# Altium PCB 2025-565-V1.PcbDoc (part 1 of 2)
Units mm, origin at the board's own origin, x right, y up, seen from the top; angles counter-clockwise.
Board outline 100 x 80 mm, 2 copper layers (Top Layer, Bottom Layer); 155 components, 101 nets, 492 pads, 335 vias.
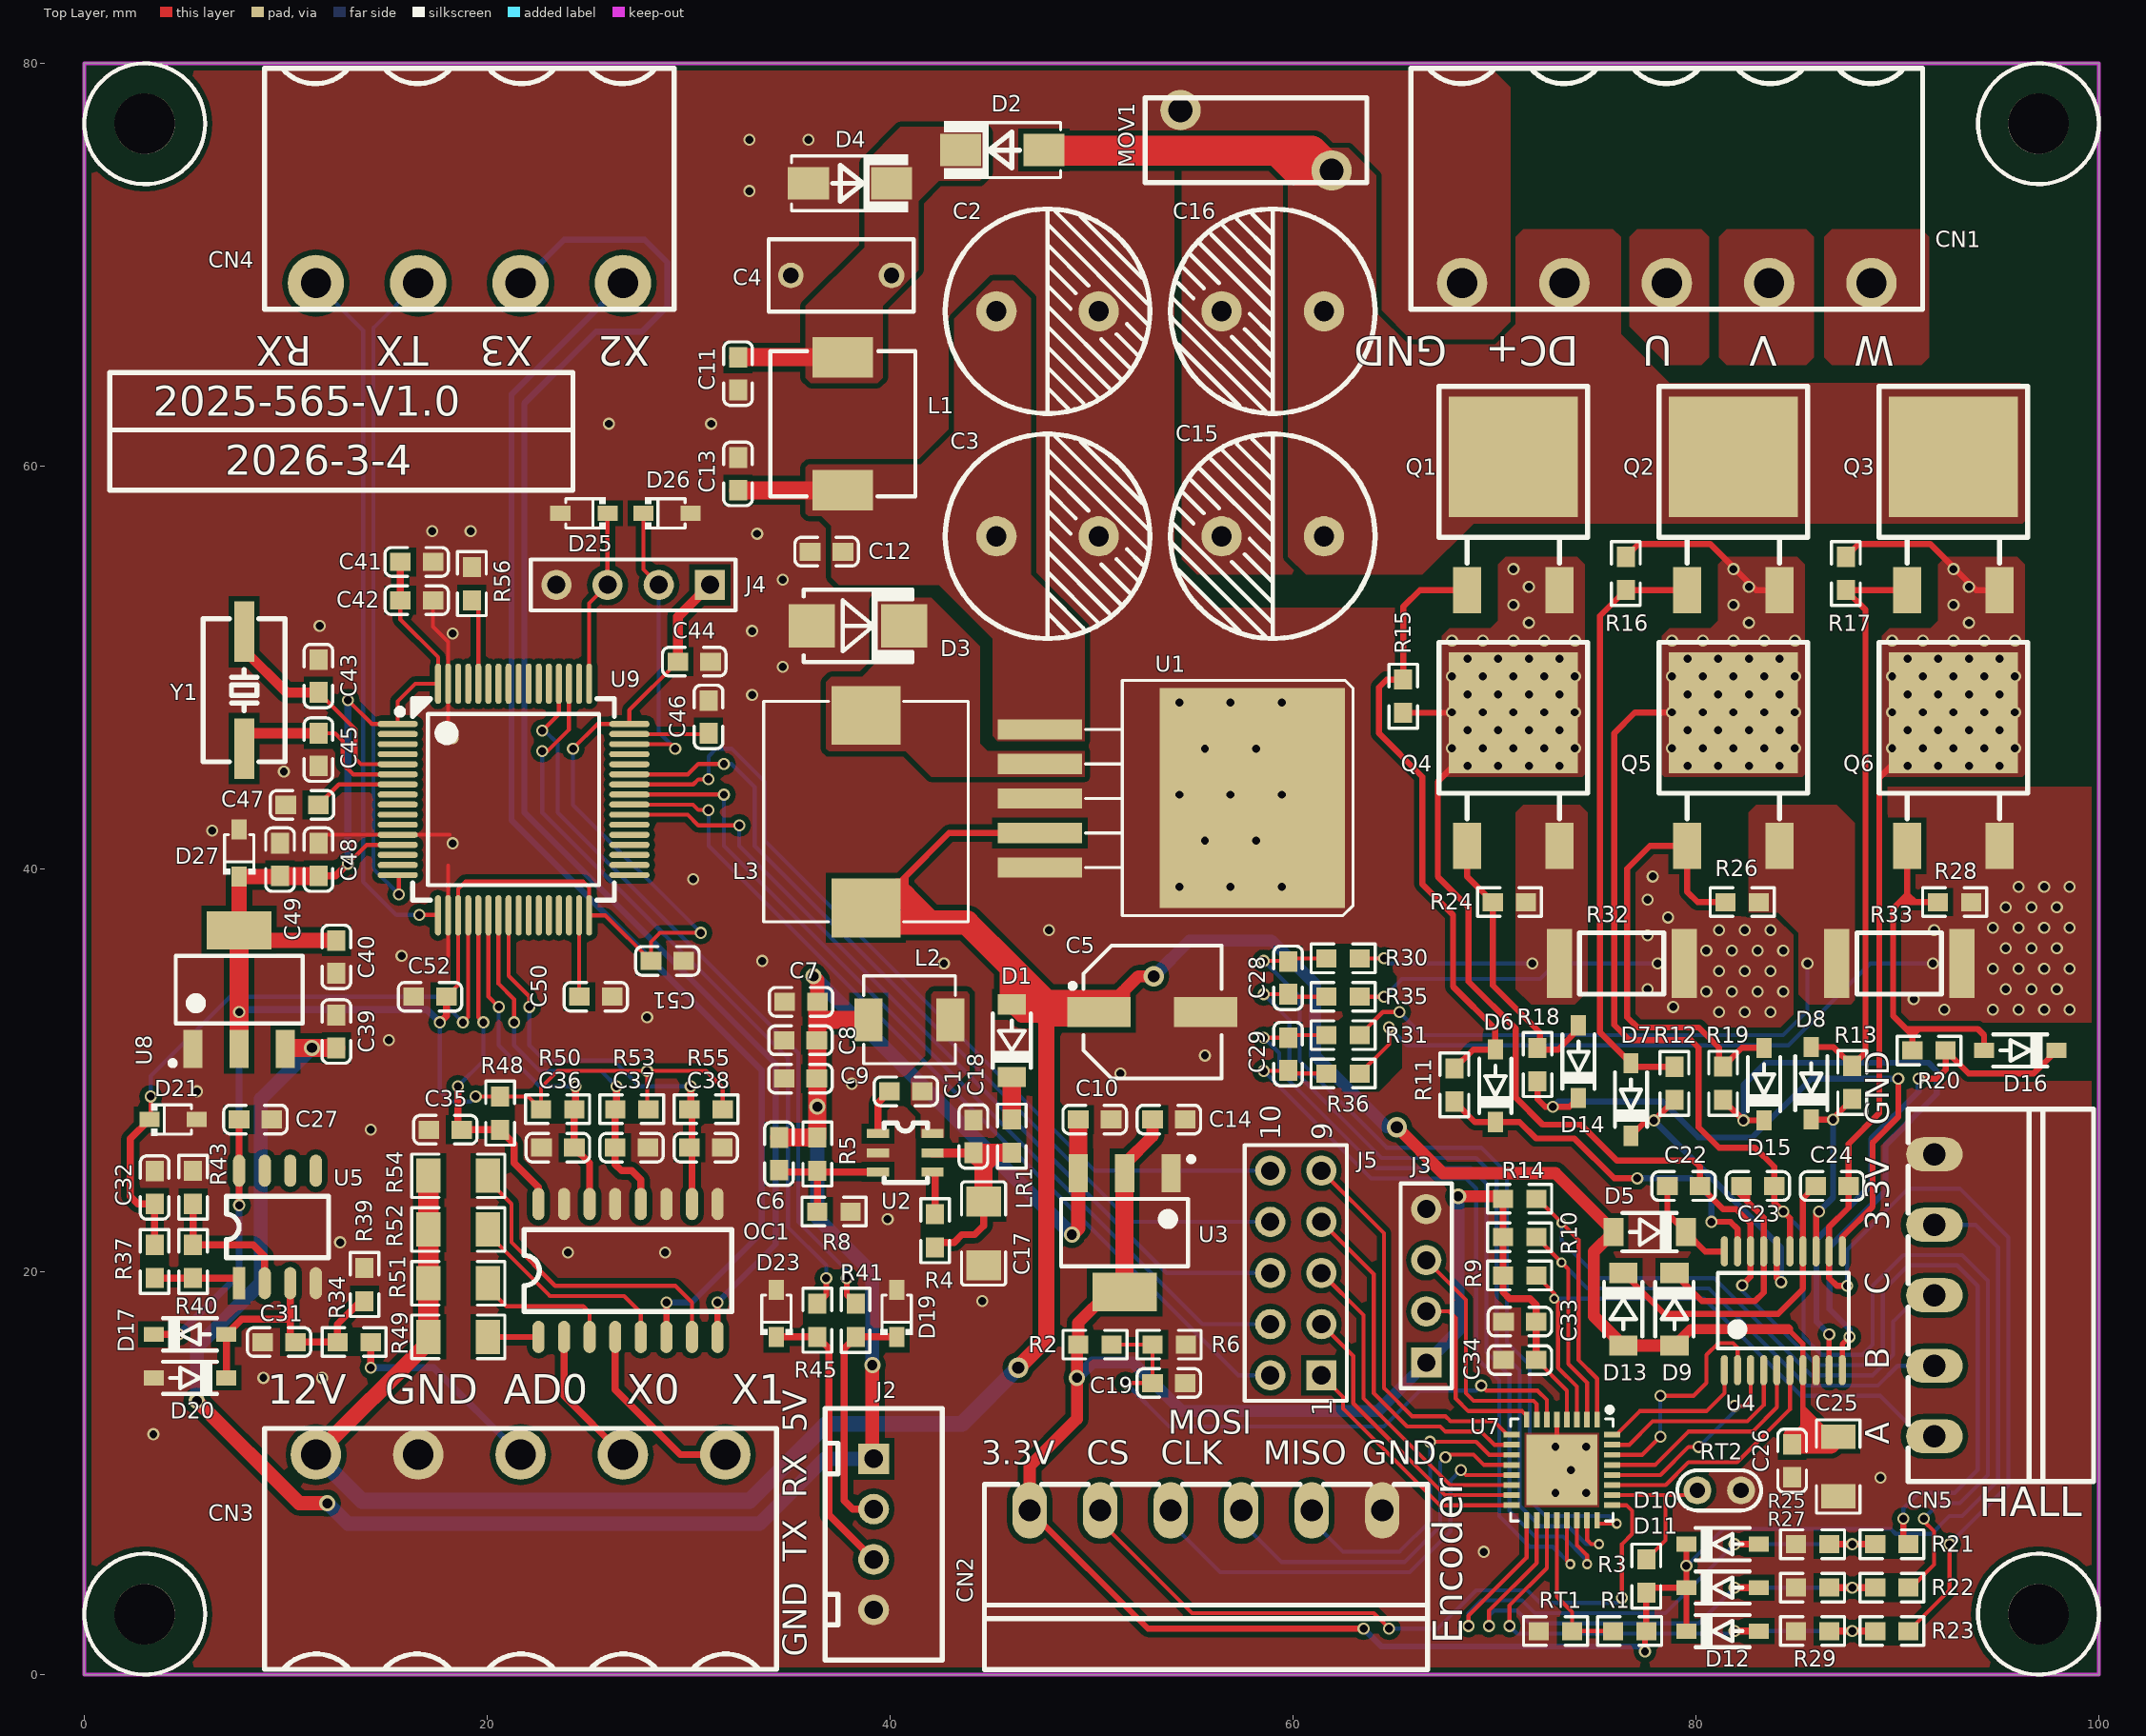
[diagram p0: Top Layer view]
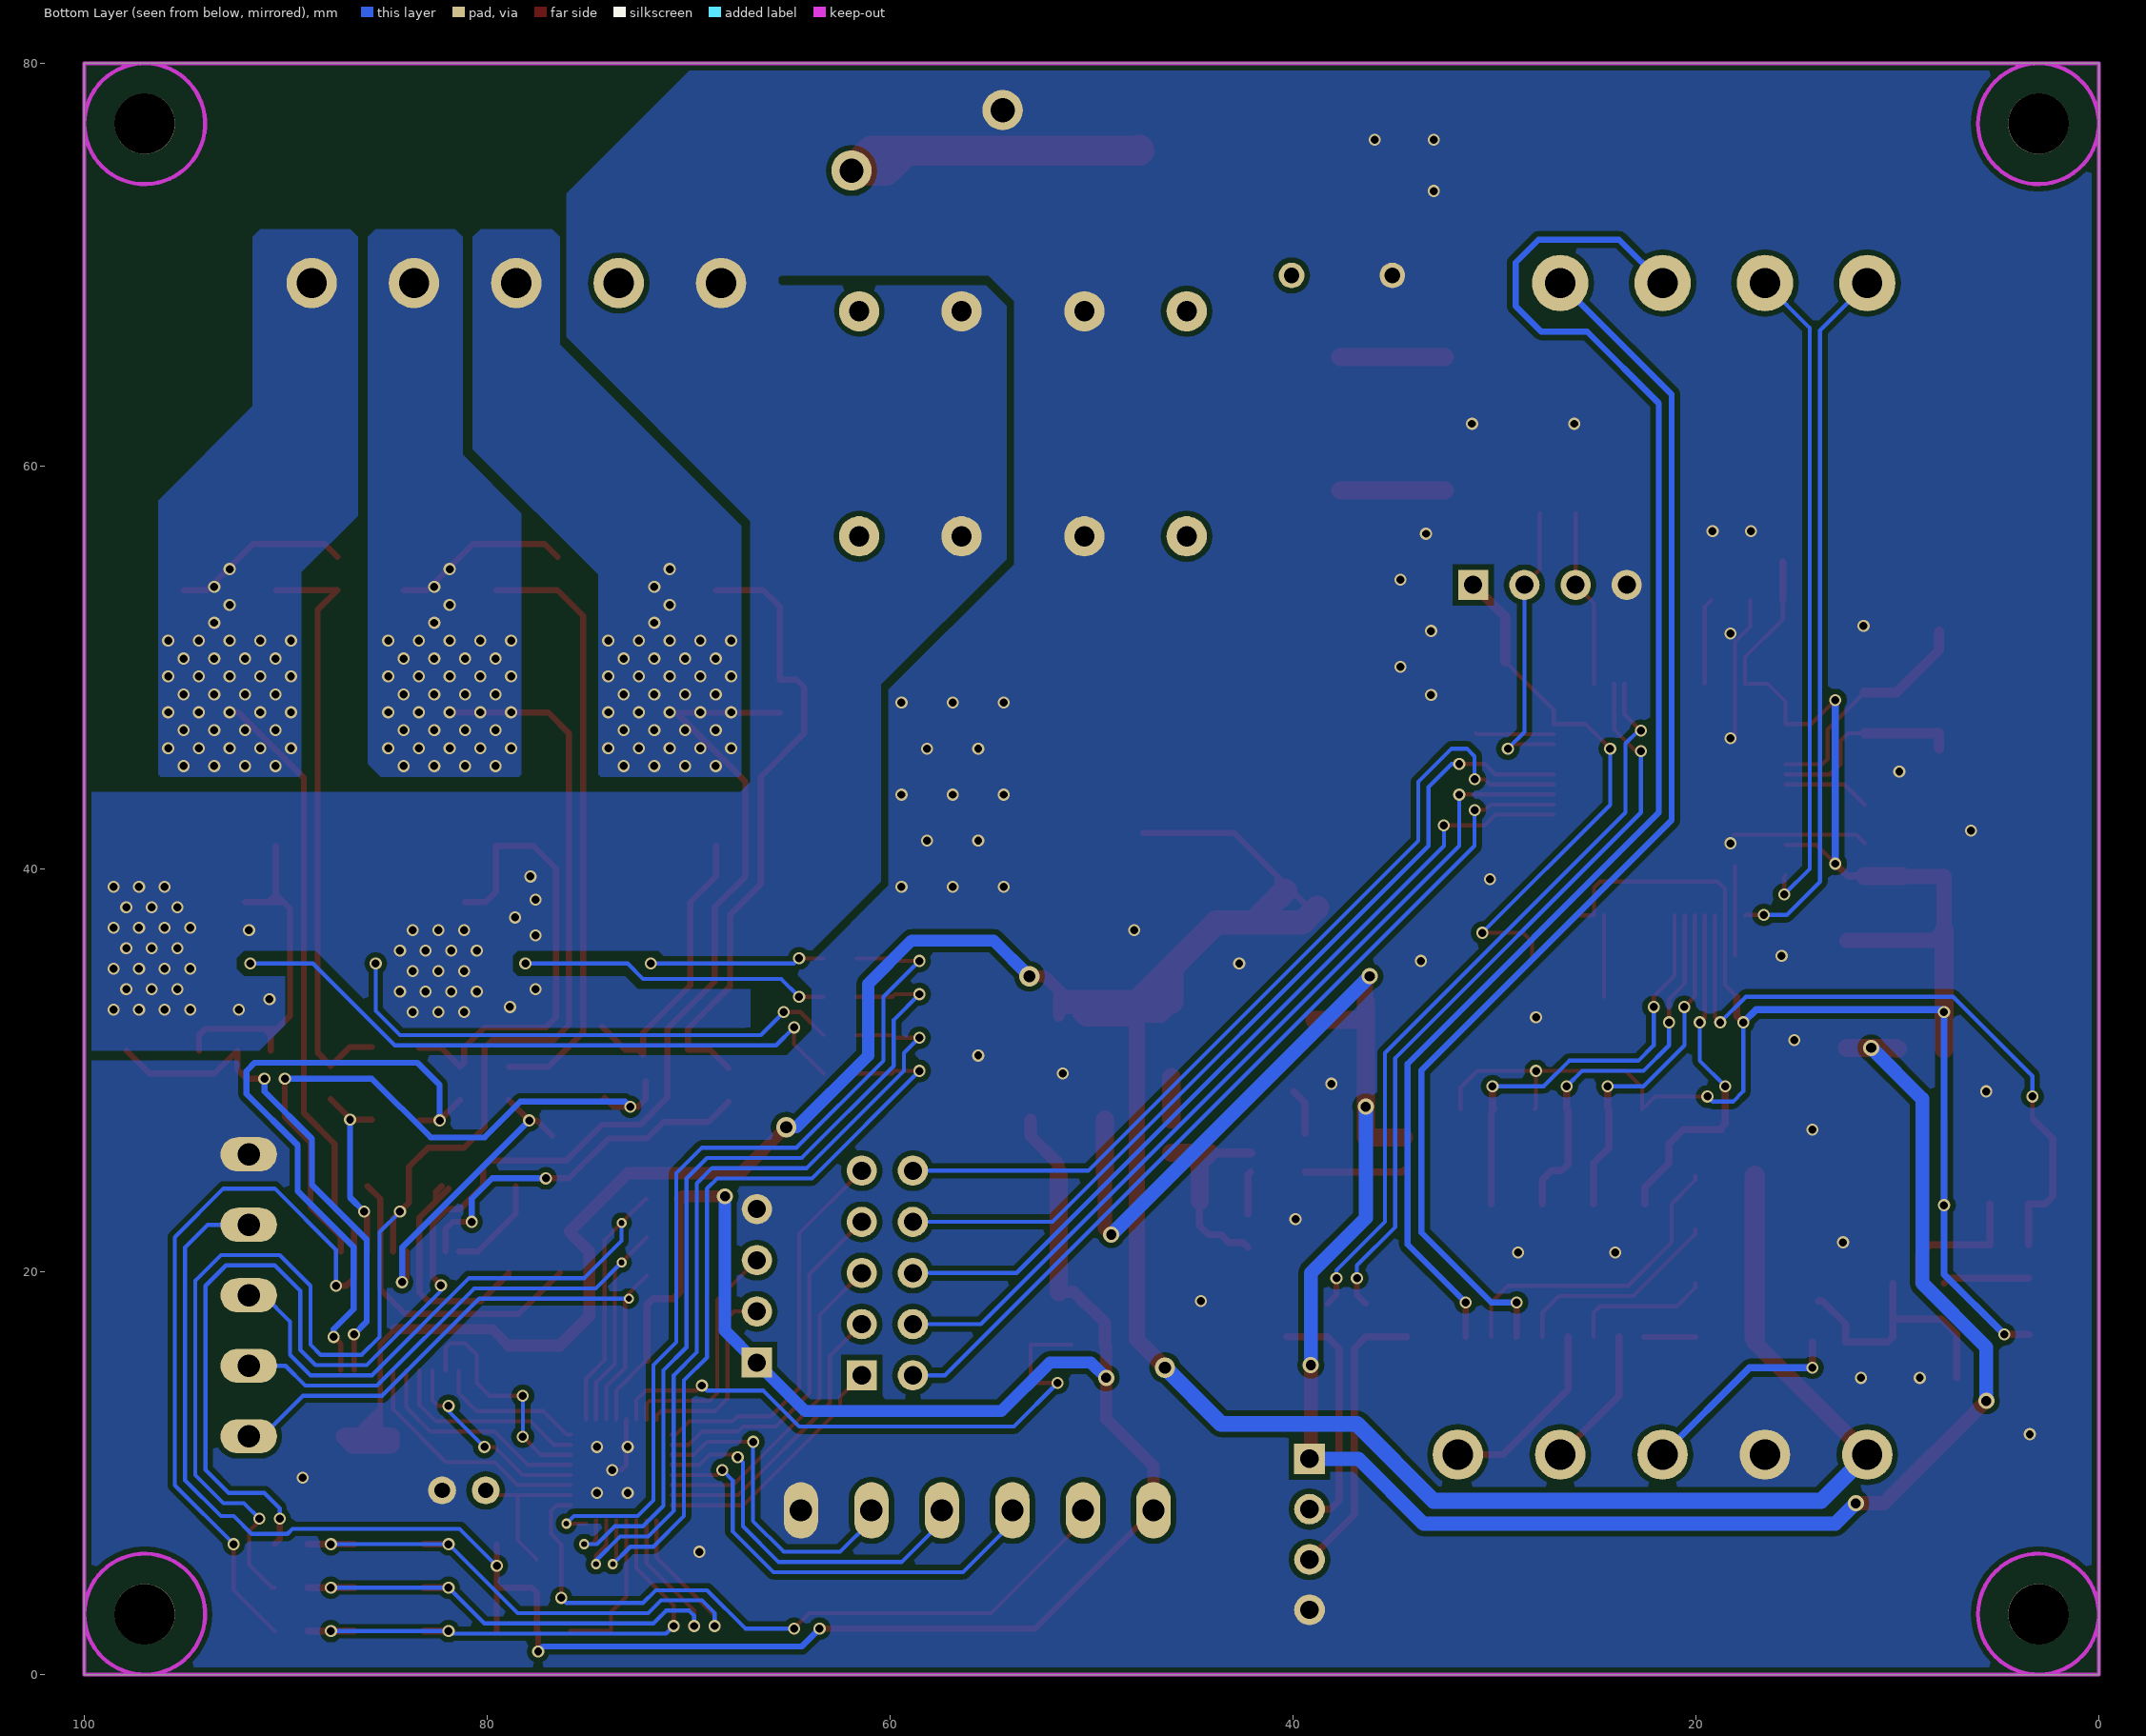
[diagram p1: Bottom Layer view, seen from below]

## Layer stack, top to bottom
Top Solder: solder mask 0.0102, Solder Resist, Dk 3.5
Top Layer: signal copper 0.0356
Dielectric 1: dielectric 0.32, FR-4, Dk 4.8
Bottom Layer: signal copper 0.0356
Bottom Solder: solder mask 0.0102, Solder Resist, Dk 3.5

## Board outline
0,0 100,0 100,80 0,80

## Design rules (kind name [scope] priority, off if disabled: settings)
Clearance Clearance_1 [InPadClass('FREE-0')] p1: gap=0.28 except(3.5: THPad-Poly)
Clearance Clearance_2 [InComponent('U7','U9')] p2: gap=0.26 except(0.19: Arc-Track Arc-SMDPad Track-Track Track-SMDPad SMDPad-SMDPad)
Clearance [All] p3: gap=0.26
DiffPairsRouting [All] p1: maxlimit=0.381 minlimit=0.28 mostfreqgap=0.28 toplayer_minwidth=0.28 toplayer_maxwidth=0.381 toplayer_prefwidth=0.28 bottomlayer_minwidth=0.28 bottomlayer_maxwidth=0.381 bottomlayer_prefwidth=0.28 maxuncoupledlength=12.7
PlaneConnect [All] p1: planeconnectstyle=Direct reliefexpansion=0.508 reliefentries=4 reliefconductorwidth=0.254 reliefairgap=0.254
PolygonConnect [All] p1: connectstyle=Direct reliefconductorwidth=0.254 reliefentries=4 polygonreliefangle="90 Angle" airgapwidth=0.254
RoutingVias [All] p1: holewidth=0.5 width=0.3 viastyle="Through Hole" minholewidth=0.5 minwidth=0.3 maxholewidth=0.711 maxwidth=1.27
SolderMaskExpansion [All] p1: expansion=0.102
Width [All] p1: maxlimit=6 minlimit=0.15 preferedwidth=0.254 minimp=50.000000 maximp=50.000000 favimp=50.000000
28 further rules are at their usual default settings.

## Components (designator, comment, footprint, x,y, rotation, side; value= is the part's Value field where it differs from the comment)
C1 "104" 0603-C 39.97,28.956 r0 top
C2 "330uF/35V" EC10-V5 45.278,67.691 r270 top
C3 "330uF/35V" EC10-V5 45.278,56.515 r270 top
C4 "100V/334J" CAP5-7.2X7.5X3.5 37.571,69.469 r0 top
C5 "220uF/25V" CAP_63*77 50.358,32.893 r0 top
C6 "47P" 0603-C 34.483,25.045 r90 top
C7 "22uF/6.3V" 0603-C 34.763,33.401 r0 top
C8 "22uF/6.3V" 0603-C 34.737,31.496 r0 top
C9 "104" 0603-C 34.737,29.591 r0 top
C10 "10uF" 0603-C 50.967,27.559 r180 top
C11 "22P" 0603-C 32.451,63.78 r90 top
C12 "102" 0603-C 36.033,55.753 r0 top
C13 "104" 0603-C 32.451,60.426 r270 top
C14 "10uF" 0603-C 54.65,27.559 r180 top
C15 "470uF/50V" EC10-V5 61.534,56.515 r90 top
C16 "470uF/50V" EC10-V5 61.534,67.691 r90 top
C17 "22uF/25V" 1206-C 44.643,23.495 r270 top
C18 "104" 0603-C 44.135,27.533 r270 top
C19 "104" 0603-C 54.65,14.478 r180 top
C22 "1uF" 0603-C 80.203,24.257 r180 top
C23 "1uF" 0603-C 83.885,24.257 r180 top
C24 "1uF" 0603-C 87.569,24.257 r180 top
C25 "10uF" 1206-R 87.061,11.811 r270 top
C26 "104" 0603-C 84.775,11.43 r270 top
C27 "104" 0603-C 7.686,27.559 r0 top
C28 "22P" 0603-C 59.756,33.782 r90 top
C29 "22P" 0603-C 59.756,29.998 r90 top
C31 "104" 0603-C 8.855,16.51 r0 top
C32 "104" 0603-C 3.495,24.993 r270 top
C33 "10uF" 0603-C 70.45,17.526 r0 top
C34 "104" 0603-C 70.45,15.621 r0 top
C35 "104" 0603-C 18.735,27.051 r180 top
C36 "104" 0603-C 24.323,26.162 r180 top
C37 "104" 0603-C 26.355,26.162 r0 top
C38 "104" 0603-C 30.038,26.162 r0 top
C39 "10uF" 0603-C 12.512,32.74 r270 top
C40 "10uF" 0603-C 12.512,34.824 r90 top
C41 "4.7uF" 0603-C 17.312,55.245 r180 top
C42 "104" 0603-C 17.312,53.34 r180 top
C43 "22P" 0603-C 11.623,48.768 r90 top
C44 "104" 0603-C 31.089,50.292 r180 top
C45 "22P" 0603-C 11.623,46.736 r270 top
C46 "2.2uF" 0603-C 30.988,48.361 r270 top
C47 "104" 0603-C 9.998,43.18 r0 top
C48 "104" 0603-C 11.623,39.65 r90 top
C49 "1uF" 0603-C 9.718,39.65 r90 top
C50 "2.2uF" 0603-C 26.202,33.655 r180 top
C51 "104" 0603-C 29.758,35.433 r180 top
C52 "104" 0603-C 17.973,33.655 r180 top
CN1 "2EDG5.08-5" CON5_5.08MM_2EDG 88.712,69.088 r180 top locked
CN2 "JL15EDG3.5-6" CON3.5*6-H-SPEC 64.429,8.153 r180 top locked
CN3 "2EDG5.08-5" CON5_5.08MM_2EDG 11.496,10.922 r0 top locked
CN4 "2EDG5.08-4" CON4_5.08MM_2EDG 26.736,69.088 r180 top locked
CN5 "JL15EDG3.5-5" CON3.5*5-H-SPEC 91.836,25.832 r270 top locked
D1 "DSK110" SOD-123FL 46.04,29.674 r90 top
D2 "SS310" SMA-DO-214AC 43.5,75.692 r0 top
D3 "SS56" SMB_DO-214AA 40.706,52.07 r180 top
D4 "单向TVS36V" SMA-DO-214AC 40.071,74.041 r180 top
D5 "DSK110" SOD-123FL 79.502,21.971 r180 top
D6 "NC" SOD-123 70.043,27.433 r90 top
D7 "NC" SOD-123 76.774,26.752 r90 top
D8 "NC" SOD-123 85.725,27.559 r90 top
D9 "DSK110" SOD-123FL 78.933,19.939 r270 top
D10 "1N4148" SOD-123 79.524,6.477 r0 top
D11 "1N4148" SOD-123 79.524,4.318 r0 top
D12 "1N4148" SOD-123 79.524,2.159 r0 top
D13 "DSK110" SOD-123FL 76.393,19.939 r270 top
D14 "NC" SOD-123 74.168,28.633 r90 top
D15 "NC" SOD-123 83.378,27.515 r90 top
D16 "NC" SOD-123 97.9,30.988 r180 top
D17 "1N4148" SOD-123 3.451,16.891 r0 top
D19 "ESD5V" SOD-323 40.325,19.109 r270 top
D20 "1N4148" SOD-123 7.051,14.732 r180 top
D21 "ESD5V" SOD-323 5.586,27.559 r180 top
D23 "ESD5V" SOD-323 34.356,19.11 r270 top
D25 "ESD5V" SOD-323 23.629,57.658 r0 top
D26 "ESD5V" SOD-323 30.097,57.658 r180 top
D27 "ESD5V" SOD-323 7.686,41.969 r270 top
J2 "XH2.54-4" XH2.54_4 39.182,10.715 r270 top locked
J3 "PROG" HDR1X4 66.614,15.494 r90 top
J4 "PROG" HDR1X4 31.054,54.102 r180 top
J5 "排针5X2" HDR2X5 61.407,14.859 r90 top locked
L1 "100uH,7X7MM" L-7X7-2 37.658,62.103 r270 top
L2 "4.7uH" L-0420 40.96,32.512 r180 top
L3 "68uH,10X10MM" L-1050 38.801,38.069 r90 top
LR1 "10R@100MHZ" 0603-R 46.04,25.909 r90 top
MOV1 "10D560K" RES-VAR-10D 61.915,74.676 r180 top
OC1 "ELQ3H7" SSOP-16-OPT 22.545,16.764 r0 top
Q1 "CMD100N68K" TO-252 68.646,53.848 r0 top
Q2 "CMD100N68K" TO-252 79.568,53.848 r0 top
Q3 "CMD100N68K" TO-252 90.49,53.848 r0 top
Q4 "CMD100N68K" TO-252 68.646,41.148 r0 top
Q5 "CMD100N68K" TO-252 79.568,41.148 r0 top
Q6 "CMD100N68K" TO-252 90.49,41.148 r0 top
R1 "10K" 0603-R 75.886,2.159 r0 top
R2 "47K" 0603-R 50.992,16.383 r180 top
R3 "10K" 0603-R 77.536,5.714 r270 top
R4 "100K" 0603-R 42.23,21.209 r90 top
R5 "150K,1%" 0603-R 36.388,25.02 r90 top
R6 "2.2K" 0603-R 53.025,16.383 r0 top
R8 "20.5K,1%" 0603-R 38.038,22.987 r180 top
R9 "4.7K" 0603-R 70.425,19.812 r0 top
R10 "4.7K" 0603-R 70.425,21.717 r0 top
R11 "22R" 0603-R 68.011,28.449 r90 top
R12 "22R" 0603-R 78.933,28.53 r90 top
R13 "22R" 0603-R 87.757,28.575 r90 top
R14 "4.7K" 0603-R 70.425,23.622 r0 top
R15 "10K" 0603-R 65.471,49.403 r270 top
R16 "10K" 0603-R 76.52,53.848 r90 top
R17 "10K" 0603-R 87.442,53.848 r90 top
R18 "22R" 0603-R 72.136,29.464 r90 top
R19 "22R" 0603-R 81.346,28.531 r90 top
R20 "22R" 0603-R 92.394,30.988 r180 top
R21 "47K" 0603-R 88.9,6.477 r0 top
R22 "47K" 0603-R 88.9,4.318 r0 top
R23 "47K" 0603-R 88.9,2.159 r0 top
R24 "10K" 0603-R 69.916,38.354 r0 top
R25 "2.2K" 0603-R 84.963,6.477 r0 top
R26 "10K" 0603-R 81.473,38.354 r0 top
R27 "2.2K" 0603-R 84.963,4.318 r0 top
R28 "10K" 0603-R 92.014,38.354 r0 top
R29 "2.2K" 0603-R 84.963,2.159 r0 top
R30 "0R" 0603-R 63.312,35.56 r180 top
R31 "0R" 0603-R 63.312,31.75 r180 top
R32 "0.005R" RES2512 79.418,35.306 r180 top
R33 "0.005R" RES2512 93.195,35.306 r180 top
R34 "56K,1%" 0603-R 14.224,16.51 r180 top
R35 "0R" 0603-R 63.311,33.655 r180 top
R36 "0R" 0603-R 63.312,29.845 r180 top
R37 "1K" 0603-R 3.495,21.335 r270 top
R39 "27K,1%" 0603-R 13.909,20.192 r270 top
R40 "0R" 0603-R 5.4,19.685 r90 top
R41 "22R" 0603-R 38.293,18.414 r270 top
R43 "NC" 0603-R 5.4,25.018 r270 top
R45 "22R" 0603-R 36.388,18.415 r270 top
R48 "10K" 0603-R 20.64,27.051 r90 top
R49 "2.2K" 1206-R 17.084,16.764 r0 top
R50 "10K" 0603-R 24.323,28.067 r180 top
R51 "2.2K" 1206-R 17.084,19.431 r0 top
R52 "2.2K" 1206-R 17.084,22.098 r0 top
R53 "10K" 0603-R 26.355,28.067 r0 top
R54 "2.2K" 1206-R 17.084,24.765 r0 top
R55 "10K" 0603-R 30.038,28.067 r0 top
R56 "10K" 0603-R 19.243,53.34 r90 top
RT1 "10K/3490" 0603-R 73.853,2.159 r180 top
RT2 "10K/3490" PAD0.7X2 80.076,9.144 r0 top (schematic designator RT?)
U1 "LM2596S-12V" TO-263-5 47.437,46.926 r270 top
U2 "SY8120" SOT23-6 39.403,26.858 r0 top
U3 "AMS1117-3.3" SOT-223 53.942,24.892 r270 top
U4 "FD6288T" TSSOP20 81.413,15.113 r90 top
U5 "GS358" SO-8 7.686,19.431 r90 top
U7 "MCU-BLDC" QFN32-EP-5X5 73.345,10.16 r180 top
U8 "AMS1117-3.3" SOT-223 5.386,31.057 r90 top
U9 "CKS32F405RGT6" LQFP-64 15.56,47.196 r270 top locked
Y1 "8MHZ" HC-49S-SMD-Mini 7.94,45.974 r90 top

## Footprints (in the part's own frame and the unit in brackets; to place one, negate y for a bottom-side part, rotate by r counter-clockwise, add the part's x,y. Pads: shape width x height; smd on the part's side, far side on the other; paste and mask are expansions set on the pad)
0603-C [mm]
  rect 1.025x0.9 smd: 1(0,0) 2(1.625,0)
  silkscreen extent -0.76,-0.71 2.39,0.71
0603-R [mm]
  rect 1x0.9 smd: 1(0,0) 2(1.65,0)
  silkscreen extent -0.76,-0.71 2.41,0.71
1206-C [mm]
  rect 1.485x1.728 smd paste-100 mask+0.051: 1(0,0) 2(3.185,0)
  silkscreen extent -0.97,-1.09 4.16,1.09
1206-R [mm]
  rect 1.208x1.701 smd paste-100 mask+0.051: 1(0,0) 2(2.958,0)
  silkscreen extent -0.83,-1.08 3.79,1.08
CAP5-7.2X7.5X3.5 [mm]
  round 1.27 hole 0.762: 1(-2.5,0) 2(2.5,0)
  silkscreen extent -3.6,-1.8 3.6,1.8
CAP_63*77 [mm]
  rect 3.15x1.5 smd: 1(0,0) 2(5.3,0)
  silkscreen extent -1.42,-3.3 6.1,3.3
CON3.5*5-H-SPEC [mm]
  oval 1.7x2.8 hole 1.1: 1(0,0) 2(3.5,0) 3(7,0) 4(10.5,0) 5(14,0)
  silkscreen extent -2.25,-1.3 16.25,7.9
CON3.5*6-H-SPEC [mm]
  oval 1.7x2.8 hole 1.1: 1(0,0) 2(3.5,0) 3(7,0) 4(10.5,0) 5(14,0) 6(17.5,0)
  silkscreen extent -2.25,-1.3 19.75,7.9
CON4_5.08MM_2EDG [mm]
  round 2.8 hole 1.5: 1(0,0) 2(5.08,0) 3(10.16,0) 4(15.24,0)
  silkscreen extent -2.54,-10.66 17.78,1.3
CON5_5.08MM_2EDG [mm]
  round 2.5 hole 1.5: 1(0,0) 2(5.08,0) 3(10.16,0) 4(15.24,0) 5(20.32,0)
  silkscreen extent -2.54,-10.66 22.86,1.3
EC10-V5 [mm]
  round 2 hole 1: 1(0,0) 2(0,5.08)
  silkscreen extent -5.08,-2.54 5.08,7.62
HC-49S-SMD-Mini [mm]
  rect 3x1 smd: 1(0,0) 2(5.8,0)
  silkscreen extent -0.66,-2.03 6.46,2.03
HDR1X4 [mm] "Connector; Header; 4 Position"
  rect 1.5x1.5 hole 0.9: 1(0,0)
  round 1.5 hole 0.9: 2(2.54,0) 3(5.08,0) 4(7.62,0)
  silkscreen extent -1.27,-1.27 8.89,1.27
HDR2X5 [mm] "Connector; Header; 5x2 Position"
  rect 1.5x1.5 hole 0.9: 1(0,0)
  round 1.5 hole 0.9: 2(0,2.54) 3(2.54,0) 4(2.54,2.54) 5(5.08,0) 6(5.08,2.54) 7(7.62,0) 8(7.62,2.54) 9(10.16,0) 10(10.16,2.54)
  silkscreen extent -1.27,-1.27 11.43,3.81
L-7X7-2 [mm]
  rect 2x3 smd: 1(-3.3,0) 2(3.3,0)
  silkscreen extent -3.6,-3.6 3.6,3.6
L-0420 [mm]
  rect 1.4x2.12 smd: 1(-2.028,0) 2(2.028,0)
  silkscreen extent -2.28,-2.18 2.28,2.18
L-1050 [mm]
  rect 2.924x3.42 smd: 1(9.556,0) 2(0,0)
  silkscreen extent -0.7,-5.08 10.25,5.08
LQFP-64 [mm]
  oval 0.3x2 smd mask+0.05: 1(0,0) 2(0.5,0) 3(1,0) 4(1.5,0) 5(2,0) 6(2.5,0) 7(3,0) 8(3.5,0) 9(4,0) 10(4.5,0) 11(5,0) 12(5.5,0) 13(6,0) 14(6.5,0) 15(7,0) 16(7.5,0) 33(7.5,11.5) 34(7,11.5) 35(6.5,11.5) 36(6,11.5) 37(5.5,11.5) 38(5,11.5) 39(4.5,11.5) 40(4,11.5) 41(3.5,11.5) 42(3,11.5) 43(2.5,11.5) 44(2,11.5) 45(1.5,11.5) 46(1,11.5) 47(0.5,11.5) 48(0,11.5)
  oval 2x0.3 smd mask+0.05: 17(9.5,2) 18(9.5,2.5) 19(9.5,3) 20(9.5,3.5) 21(9.5,4) 22(9.5,4.5) 23(9.5,5) 24(9.5,5.5) 25(9.5,6) 26(9.5,6.5) 27(9.5,7) 28(9.5,7.5) 29(9.5,8) 30(9.5,8.5) 31(9.5,9) 32(9.5,9.5) 49(-2,9.5) 50(-2,9) 51(-2,8.5) 52(-2,8) 53(-2,7.5) 54(-2,7) 55(-2,6.5) 56(-2,6) 57(-2,5.5) 58(-2,5) 59(-2,4.5) 60(-2,4) 61(-2,3.5) 62(-2,3) 63(-2,2.5) 64(-2,2)
  silkscreen extent -1.25,-0.04 8.75,10.75
PAD0.7X2 [mil]
  round 54.37 hole 30: 1(0,0) 2(85,0)
  silkscreen extent -39,-39 124,39
QFN32-EP-5X5 [mm]
  rect 0.28x0.8 smd paste-100 mask+0.051: 1(-1.75,-2.5) 2(-1.25,-2.5) 3(-0.75,-2.5) 4(-0.25,-2.5) 5(0.25,-2.5) 6(0.75,-2.5) 7(1.25,-2.5) 8(1.75,-2.5) 17(1.75,2.5) 18(1.25,2.5) 19(0.75,2.5) 20(0.25,2.5) 21(-0.25,2.5) 22(-0.75,2.5) 23(-1.25,2.5) 24(-1.75,2.5)
  rect 0.8x0.28 smd paste-100 mask+0.051: 9(2.5,-1.75) 10(2.5,-1.25) 11(2.5,-0.75) 12(2.5,-0.25) 13(2.5,0.25) 14(2.5,0.75) 15(2.5,1.25) 16(2.5,1.75) 25(-2.5,1.75) 26(-2.5,1.25) 27(-2.5,0.75) 28(-2.5,0.25) 29(-2.5,-0.25) 30(-2.5,-0.75) 31(-2.5,-1.25) 32(-2.5,-1.75)
  rect 3.5x3.5 smd paste-100 mask+0.051: 33(0,0)
  silkscreen extent -2.54,-3.12 2.54,2.54
RES2512 [mm]
  rect 1.25x3.42 smd: 1(0,0) 2(6.2,0)
  silkscreen extent 1.02,-1.52 5.21,1.52
RES-VAR-10D [mm]
  round 2 hole 1.2: 1(0,0) 2(7.5,-3)
  silkscreen extent -1.75,-3.6 9.25,0.6
SMA-DO-214AC [mm] "D?"
  rect 2.046x1.62 smd paste+0 mask+0.051: 1(4.131,0) 2(0,0)
  silkscreen extent -0.82,-1.44 4.97,1.44
SMB_DO-214AA [mm]
  rect 2.3x2.15 smd: 1(4.6,0) 2(0,0)
  silkscreen extent -0.4,-1.8 5,1.8
SO-8 [mil]
  rect 62.99x24 smd: 1(0,0)
  oval 62.99x24 smd: 2(0,-50) 3(0,-100) 4(0,-150) 5(220,-150) 6(220,-100) 7(220,-50) 8(220,0)
  silkscreen extent 50,-175 170,25
SOD-123 [mm]
  rect 1x0.75 smd: 1(3.6,0) 2(0,0)
  silkscreen extent 0.45,-0.8 3.15,0.8
SOD-123FL [mm]
  rect 1x1.4 smd: 1(3.6,0) 2(0,0)
  silkscreen extent 0.45,-0.95 3.15,0.95
SOD-323 [mm]
  rect 1x0.75 smd: 1(0,0) 2(2.345,0)
  silkscreen extent 0.27,-0.8 2.25,0.8
SOT23-6 [mm]
  rect 1.1x0.45 smd paste+0 mask+0.051: 1(0,0) 2(0,-0.95) 3(0,-1.9) 4(2.7,-1.9) 5(2.7,-0.95) 6(2.7,0)
  silkscreen extent 0.3,-2.42 2.46,0.53
SOT-223 [mm]
  rect 1.9x0.95 smd: 1(0,0) 2(0,-2.3) 3(0,-4.6)
  rect 1.9x3.2 smd: 4(5.9,-2.3)
  silkscreen extent -0.82,-5.45 4.62,1.13
SSOP-16-OPT [mm]
  oval 0.6x1.6 smd: 1(0,0) 2(1.27,0) 3(2.54,0) 4(3.81,0) 5(5.08,0) 6(6.35,0) 7(7.62,0) 8(8.89,0) 9(8.89,6.6) 10(7.62,6.6) 11(6.35,6.6) 12(5.08,6.6) 13(3.81,6.6) 14(2.54,6.6) 15(1.27,6.6) 16(0,6.6)
  silkscreen extent -0.71,1.27 9.6,5.33
TO-252 [mm]
  rect 1.4x2.3 smd: 1(0,0) 3(4.572,0)
  rect 6.4x6 smd: 2(2.286,6.612)
  silkscreen extent -1.4,1.34 5.97,10.11
TO-263-5 [mm]
  rect 1x4.2 smd: 1(0,0) 2(1.714,0) 3(3.429,0) 4(5.143,0) 5(6.858,0)
  rect 10.9x9.2 smd: 3(3.404,10.541)
  silkscreen extent -2.44,2.26 9.25,15.54
TSSOP20 [mm]
  oval 1.5x0.35 smd: 1(0,0) 2(0,-0.65) 3(0,-1.3) 4(0,-1.95) 5(0,-2.6) 6(0,-3.25) 7(0,-3.9) 8(0,-4.55) 9(0,-5.2) 10(0,-5.85) 11(5.9,-5.85) 12(5.9,-5.2) 13(5.9,-4.55) 14(5.9,-3.9) 15(5.9,-3.25) 16(5.9,-2.6) 17(5.9,-1.95) 18(5.9,-1.3) 19(5.9,-0.65) 20(5.9,0)
  silkscreen extent 1.07,-6.18 4.82,0.33
XH2.54_4 [mil]
  rect 60x60 hole 36 paste+0 mask+1.97: 1(0,0)
  round 60 hole 36 paste+0 mask+1.97: 2(98.44,0) 3(196.85,0) 4(295.28,0)
  silkscreen extent -98,-94 394,134

## Part data
C1 C6 C7 C8 C9 C10 C11 C12 C13 C14 C18 C19 C22 C23 C24 C26 C27 C28 C29 C31 C32 C33 C34 C35 C36 C37 C38 C39 C40 C41 C42 C43 C44 C45 C46 C47 C48 C49 C50 C51 C52: library part Cap, "0603电容"
C2 C3 C15 C16: library part "Cap Pol1", "插件电解电容"
C4: library part Cap, "校正电容"
C5: library part "Cap Pol1", "贴片电解电容"
C17 C25: library part Cap, "1206电容"
CN1 CN3 CN5: library part "Header 5", "插拔端子"
CN2: library part "Header 6", "插拔端子"
CN4: library part "Header 4", "插拔端子"
D1 D2 D17 D20: library part Diode, "二极管"
D3 D5 D9 D13: library part "D Schottky", "肖特基二极管"
D4 D19 D21 D23: library part "D Schottky", "TVS二极管"
D6 D7 D8 D10 D11 D12 D14 D15 D16: library part Diode, "Default Diode"
D25 D26 D27: library part "D Schottky", "ESD二极管"
J2: library part "Header 4", "XH连接器"
J3 J4: library part "Header 4", "NC"
J5: library part "Header 5X2", "排针"
L1: library part Inductor, "贴片电感"
L2: library part L, "一体成型电感"
L3: library part Inductor, "贴片功率电感"
LR1: library part L, "0603磁珠"
MOV1: library part RES-VAR, "压敏电阻"
OC1: "光耦合器4"
Q1 Q2 Q3 Q4 Q5 Q6: library part NMOS-2, "N-Channel Power MOSFET"
R1 R2 R3 R4 R5 R6 R8 R9 R10 R11 R12 R13 R14 R15 R16 R17 R18 R19 R20 R21 R22 R23 R24 R25 R26 R27 R28 R29 R30 R31 R34 R35 R36 R37 R39 R40 R41 R43 R45 R48 R50 R53 R55 R56: library part Res2, "0603电阻"
R32 R33: library part Res2, "2512合金电阻"
R49 R51 R52 R54: library part Res2, "1206电阻"
RT1 RT2: library part "Res Thermal", "热敏电阻"
U1: library part LM2596, "DC-DC降压芯片"
U2: "DC-DC降压芯片"
U3 U8: library part AMS1117, "LDO稳压器"
U4: "全桥栅极驱动器"
U5: library part LM358, "运放"
U7: "MCU"
U9: "MCU单片机"
Y1: library part CRYSTAL, "晶振"

## Free pads (board coordinates)
  round 3 hole 3 unplated: 0(3,3) 0(3,77) 0(97,3) 0(97,77)

## Via types
v1: diameter 0.6, hole 0.4, Top Layer to Bottom Layer, 170 vias
v2: diameter 0.6, hole 0.4, Top Layer to Bottom Layer, tented both sides, 146 vias
v3: diameter 0.8, hole 0.5, Top Layer to Bottom Layer, tented both sides, 9 vias
v4: diameter 0.5, hole 0.3, Top Layer to Bottom Layer, tented both sides, 7 vias
v5: diameter 1, hole 0.6, Top Layer to Bottom Layer, tented both sides, 3 vias

## Nets (pads, with @x,y where several pads share a name; then routed paths per layer and width w, separated by ;. In a path a pad name is that pad's centre, name@x,y a point inside that pad or via, vN(x,y) a via of type N, cw(c..) or ccw(c..) an arc to the next point about the centre after c; other vN are vias at no path point)
3.3V: C14.2 C33.2 C34.2 CN2.6 CN5.2 D10.2 D11.2 D12.2 J3.1 R1.2 R2.2 R3.2 R9.1 R10.1 R14.1 U3.2 U3.4 U7.4 | length 141.5
  Top Layer w0.2: C34.2@72.075,15.621 73.595,14.101 U7.4@73.595,12.66
  Top Layer w0.3: CN2.6@46.929,8.153 52.796,2.286 v2(63.5,2.286) ; v2(77.47,1.143) 77.47,2.093 R1.2@77.536,2.159 R3.2@77.536,4.064 77.79,4.318 D11.2@79.524,4.318 ; D12.2@79.524,2.159 D11.2@79.524,4.318 ; D10.2@79.524,6.477 v2(79.524,5.397) D11.2@79.524,4.318
  Top Layer w0.35: R14.1@70.425,23.622 R10.1@70.425,21.717 R9.1@70.425,19.812 70.425,18.983 70.739,18.669 71.755,18.669 72.075,18.349 C33.2@72.075,17.526 C34.2@72.075,15.621
  Top Layer w0.6: CN2.6@46.929,8.153 46.929,10.353 49.276,12.7 v3(49.276,14.732) 49.276,16.317 R2.2@49.342,16.383 49.342,17.465 50.869,18.992 U3.4@51.642,18.992 ; U3.2@51.642,24.892 51.642,25.353 53.025,26.736 C14.2@53.025,27.559 ; v3(68.199,23.749) 70.298,23.749 R14.1@70.425,23.622
  Top Layer w0.9: U3.4@51.642,18.992 U3.2@51.642,24.892
  Bottom Layer w0.2: v2(79.524,5.397) 81.366,7.239 89.662,7.239 89.916,6.985 91.694,6.985 92.583,7.874 93.218,7.874 94.996,9.652 94.996,21.209 93.873,22.332 CN5.2@91.836,22.332
  Bottom Layer w0.3: v2(63.5,2.286) 64.389,1.397 77.216,1.397 v2(77.47,1.143)
  Bottom Layer w0.6: v3(49.276,14.732) 50.038,15.494 52.07,15.494 54.483,13.081 64.201,13.081 J3.1@66.614,15.494 68.199,17.079 v3(68.199,23.749)
5V: C6.2 C7.2 C8.2 C9.2 C10.2 C39.2 J2.1 L2.2 R5.2 U3.3 U8.3 | length 115.1
  Top Layer w0.7: v3(5.588,13.589) 10.668,8.509 v3(12.065,8.509) ; v3(36.195,34.671) 36.388,34.478 C7.2@36.388,33.401 ; v3(39.116,15.367) 39.116,10.781 J2.1@39.182,10.715 ; v3(49.022,21.844) 49.342,22.164 U3.3@49.342,24.892
  Top Layer w0.9: U8.3@9.986,31.057 10.044,31.115 v3(11.303,31.115) C39.2@12.512,31.115 ; C6.2@34.483,26.67 R5.2@36.388,26.67 v3(36.388,28.194) 36.388,32.512 ; C7.2@36.388,33.401 36.388,32.512 ; L2.2@38.932,32.512 36.388,32.512 ; U3.3@49.342,24.892 C10.2@49.342,27.559
  Bottom Layer w0.7: v3(5.588,13.589) 5.588,16.256 8.763,19.431 8.763,28.575 v3(11.303,31.115) ; v3(12.065,8.509) 13.081,7.493 33.528,7.493 36.75,10.715 J2.1@39.182,10.715 ; v3(36.195,34.671) v3(49.022,21.844) ; v3(36.388,28.194) 36.388,22.667 39.116,19.939 v3(39.116,15.367)
12V: C5.1 C25.1 C26.1 CN3.1 D1.1 D5.1 D9.1 D13.1 L3.2 R49.1 R51.1 R52.1 R54.1 U1.4 U4.7 | length 176.6
  Top Layer w0.26: 84.582,17.145 85.313,16.414 U4.7@85.313,15.113 85.313,13.239 ; C26.1@84.775,11.811 85.313,12.349 ; 86.106,11.811 86.106,11.907 85.664,12.349 ; 86.106,12.192 85.949,12.349 ; C25.1@87.061,11.811 86.741,11.811 85.313,13.239 ; 85.313,12.349 85.313,12.7 ; 85.313,12.349 85.664,12.349 ; 85.313,12.7 85.313,12.985 ; 85.313,12.7 85.664,12.349 ; 85.313,12.985 85.313,13.239 ; 85.313,12.985 85.949,12.349 ; 85.664,12.349 85.949,12.349
  Top Layer w0.3: L3.2@38.862,37.719 39.007,37.864 40.767,39.624 ; 40.833,38.481 40.767,38.547 40.767,39.624 ; U1.4@47.437,41.783 42.926,41.783 40.767,39.624
  Top Layer w0.5: D9.1@78.933,16.339 79.739,17.145 84.582,17.145
  Top Layer w0.6: R49.1@17.084,16.51 R49.1@17.084,16.764 ; C5.1@50.358,32.893 50.546,32.893 51.054,33.401 51.613,33.96 C5.1@51.613,32.715 ; 51.689,34.036 52.324,34.671 v5(53.086,34.671) ; v5(65.151,27.178) 67.437,24.892 73.025,24.892 75.902,22.015 D5.1@75.902,21.971 74.93,20.999 74.93,17.802 D13.1@76.393,16.339 D9.1@78.933,16.339
  Top Layer w0.8: CN3.1@11.496,10.922 R49.1@17.084,16.51 ; D1.1@46.04,33.274 46.548,32.766 47.752,32.766 47.752,16.637 v5(46.355,15.24)
  Top Layer w0.9: C26.1@84.775,11.43 86.68,11.43 C25.1@87.061,11.811 ; C26.1@84.775,11.811 86.106,11.811 C25.1@86.741,11.811
  Top Layer w1: R49.1@17.084,16.764 R51.1@17.084,19.431 R52.1@17.084,22.098 R54.1@17.084,24.765
  Top Layer w1.2: L3.2@38.801,38.069 39.007,37.864 39.532,37.338 41.976,37.338 ; L3.2@40.386,38.928 40.767,38.547 ; 40.833,38.481 41.976,37.338 ; 47.752,32.766 50.231,32.766 C5.1@50.358,32.893 C5.1@49.85,33.401 ; C5.1@51.308,33.401 51.054,33.401 C5.1@49.85,33.401 ; 41.976,37.338 43.815,37.338 46.04,35.113 ; 46.04,35.113 47.752,33.401 ; 46.04,35.113 46.04,33.401 47.752,33.401 ; 47.752,33.401 48.26,33.401 C5.1@49.85,33.401
  Bottom Layer w0.6: v5(53.086,34.671) 54.864,36.449 58.928,36.449 61.087,34.29 61.087,30.734 64.643,27.178 v5(65.151,27.178)
  Bottom Layer w0.8: CN3.1@11.496,10.922 13.782,8.636 33.02,8.636 36.83,12.446 43.561,12.446 v5(46.355,15.24)
485RX: CN4.4 U9.17 | length 35.1
  Top Layer w0.2: v2(16.637,37.719) 17.537,37.719 U9.17@17.56,37.696
  Bottom Layer w0.2: CN4.4@11.496,69.088 13.843,66.741 13.843,39.37 15.494,37.719 v2(16.637,37.719)
485TX: CN4.3 U9.16 | length 32.8
  Top Layer w0.2: U9.16@15.56,39.696 15.621,39.635 v2(15.621,38.735)
  Bottom Layer w0.2: v2(15.621,38.735) 14.351,40.005 14.351,66.863 CN4.3@16.576,69.088
AD0: CN3.3 R34.1 | length 10.5
  Top Layer w0.35: v2(14.224,15.24) R34.1@14.224,16.51
  Bottom Layer w0.35: v2(14.224,15.24) 17.338,15.24 CN3.3@21.656,10.922
AD0-IN: C32.2 D21.2 R37.1 U9.20 | length 32.9
  Top Layer w0.2: D21.2@3.241,27.559 3.302,27.62 v2(3.302,28.702) ; v2(18.796,32.385) 19.06,32.649 U9.20@19.06,37.696
  Top Layer w0.35: D21.2@3.241,27.559 2.286,26.604 2.286,23.749 2.667,23.368 C32.2@3.495,23.368 R37.1@3.495,21.335
  Bottom Layer w0.2: v2(3.302,28.702) 3.302,29.718 7.239,33.655 17.526,33.655 v2(18.796,32.385)
BEMF_U: D10.1 R21.1 R25.2 U7.17 | length 31.6
  Top Layer w0.2: v2(68.707,2.413) 68.707,2.921 71.595,5.809 U7.17@71.595,7.66
  Top Layer w0.35: v2(81.915,6.477) D10.1@83.124,6.477 ; R25.2@86.613,6.477 v2(87.756,6.477) R21.1@88.9,6.477
  Bottom Layer w0.2: v2(68.707,2.413) 68.707,3.048 69.342,3.683 71.374,3.683 72.009,3.048 78.486,3.048 v2(81.915,6.477) v2(87.756,6.477)
BEMF_V: D11.1 R22.1 R27.2 U7.18 | length 29.4
  Top Layer w0.2: v2(69.723,2.413) 69.723,3.175 72.095,5.547 U7.18@72.095,7.66
  Top Layer w0.35: v2(81.915,4.318) D11.1@83.124,4.318 ; R27.2@86.613,4.318 v2(87.756,4.318) R22.1@88.9,4.318
  Bottom Layer w0.2: v2(69.723,2.413) 69.723,2.921 69.977,3.175 71.12,3.175 71.755,2.54 80.137,2.54 v2(81.915,4.318) v2(87.756,4.318)
BEMF_W: D12.1 R23.1 R29.2 U7.19 | length 26.7
  Top Layer w0.2: v2(70.739,2.413) 70.739,3.429 72.595,5.285 U7.19@72.595,7.66
  Top Layer w0.35: v2(81.915,2.159) D12.1@83.124,2.159 ; R29.2@86.613,2.159 v2(87.756,2.159) R23.1@88.9,2.159
  Bottom Layer w0.2: v2(70.739,2.413) 71.12,2.032 81.788,2.032 v2(81.915,2.159) v2(87.756,2.159)
CLK: J3.3 U7.7 | length 11.9
  Top Layer w0.2: J3.3@66.614,20.574 68.58,18.608 68.58,13.97 68.961,13.589 71.933,13.589 72.095,13.426 U7.7@72.095,12.66
DC+: C15.1 C16.1 CN1.4 D2.1 MOV1.1 Q1.2 Q2.2 Q3.2 | length 17.8
  Top Layer w1.5: D2.1@47.631,75.692 47.631,75.666 59.208,75.666 ; 59.208,75.666 60.925,75.666 MOV1.1@61.915,74.676 60.198,74.676 59.208,75.666
DIR: J5.2 U9.40 | length 44.6
  Top Layer w0.2: U9.40@27.06,43.196 30.21,43.196 30.48,42.926 v2(30.988,42.926)
  Bottom Layer w0.2: v2(30.988,42.926) 30.988,41.148 57.277,14.859 J5.2@58.867,14.859
DIRECT: J5.1 U7.16 | length 12.4
  Top Layer w0.2: J5.1@61.407,14.859 62.484,13.782 62.484,13.208 67.282,8.41 U7.16@70.845,8.41
DRV_UH: D6.2 R11.1 U4.19 | length 18.5
  Top Layer w0.3: R11.1@68.011,28.449 69.027,27.433 D6.2@70.043,27.433 71.246,27.433 72.06,26.619 73.965,26.619 75.946,24.638 v2(77.089,24.638) ; v2(80.772,22.479) 81.712,22.479 82.063,22.128 U4.19@82.063,21.013
  Bottom Layer w0.3: v2(77.089,24.638) 79.756,24.638 80.772,23.622 v2(80.772,22.479)
DRV_UL: D14.2 R18.1 U4.11 | length 32.2
  Top Layer w0.3: R18.1@72.136,29.464 72.136,28.575 72.517,28.194 v2(72.898,28.194) 73.729,28.194 D14.2@74.168,28.633 ; U4.11@87.263,21.013 87.263,21.731 88.773,23.241 88.773,26.416 90.043,27.686 v2(90.043,29.591)
  Bottom Layer w0.3: v2(72.898,28.194) 73.152,28.448 78.359,28.448 80.137,26.67 82.804,26.67 85.725,29.591 v2(90.043,29.591)
DRV_VH: D7.2 R12.1 U4.16 | length 15.2
  Top Layer w0.3: D7.2@76.774,26.752 77.536,27.514 v2(77.917,27.514) R12.1@78.933,28.53 ; U4.16@84.013,21.013 84.013,19.695 v2(84.226,19.482)
  Bottom Layer w0.3: v2(77.917,27.514) 84.226,21.205 v2(84.226,19.482)
DRV_VL: D15.2 R19.1 U4.10 | length 32
  Top Layer w0.26: U4.10@87.263,15.113 87.263,16.397 v2(87.63,16.764)
  Top Layer w0.3: R19.1@81.346,28.531 v2(82.362,27.515) D15.2@83.378,27.515
  Bottom Layer w0.3: v2(82.362,27.515) 82.362,29.276 83.464,30.378 91.542,30.378 91.948,29.972 91.948,28.829 89.408,26.289 89.408,24.003 86.636,21.231 86.636,18.139 87.63,17.145 v2(87.63,16.764)
DRV_WH: D8.2 R13.1 U4.13 | length 9.3
  Top Layer w0.3: D8.2@85.725,27.559 86.741,27.559 R13.1@87.757,28.575 ; U4.13@85.963,21.013 85.963,22.844 v2(86.106,22.987)
  Bottom Layer w0.3: v2(86.106,22.987) 86.807,23.688 v2(86.807,27.56)
DRV_WL: D16.2 R20.1 U4.9 | length 25.8
  Top Layer w0.26: U4.9@86.613,15.113 v2(86.614,16.891) ; v2(86.614,16.891) v2(86.614,16.891)
  Top Layer w0.3: v2(91.059,29.591) 91.948,29.591 92.394,30.037 R20.1@92.394,30.988 93.537,29.845 96.757,29.845 D16.2@97.9,30.988
  Bottom Layer w0.3: v2(86.614,16.891) 85.979,17.526 85.979,21.59 88.697,24.308 88.697,26.594 91.059,28.956 v2(91.059,29.591)
ENA: J5.6 U9.39 | length 41.8
  Top Layer w0.2: U9.39@27.06,42.696 29.948,42.696 30.48,42.164 v2(32.512,42.164)
  Bottom Layer w0.2: v2(32.512,42.164) 32.512,41.148 53.721,19.939 J5.6@58.867,19.939
ENABLE: J5.5 U7.14 | length 16.2
  Top Layer w0.2: J5.5@61.407,19.939 63.5,17.846 63.5,13.716 67.806,9.41 U7.14@70.845,9.41
GND: C2.2 C3.2 C4.1 C5.2 C7.1 C8.1 C9.1 C10.1 C11.1 C12.1 C13.1 C14.1 C15.2 C16.2 C17.2 C18.1 C19.1 C25.2 C26.2 C27.2 C31.1 C32.1 C33.1 C34.1 C35.2 C36.2 C37.2 C38.2 C39.1 C40.1 C41.1 C42.1 C43.2 C44.1 C45.2 C46.1 C47.1 C48.2 C49.2 C50.1 C51.1 C52.2 CN1.5 CN2.1 CN3.2 CN5.1 D3.1 D4.1 D19.1 D20.1 D21.1 D23.1 D25.1 D26.1 D27.1 J2.4 J3.4 J4.4 MOV1.2 OC1.9 OC1.11 OC1.13 OC1.15 Q6.3 R6.2 R8.1 R25.1 R27.1 R28.2 R29.1 R32.1 R33.1 R35.1 R36.1 R39.1 R43.1 R56.2 RT1.2 RT2.2 U1.3 U1.5 U2.2 U3.1 U4.8 U5.4 U7.5 U7.33 U8.1 U9.12 U9.18 U9.63 | length 68.4
  Top Layer w0.2: C48.2@11.623,41.275 12.044,41.696 U9.12@15.56,41.696 18.121,41.696 ; C42.1@17.312,53.34 17.312,52.03 18.06,51.282 U9.63@18.06,49.196 v2@18.06,46.329 ; 18.06,35.713 U9.18@18.06,37.696 18.06,40.158 ; R36.1@63.312,29.845 64.77,31.303 v2(64.77,32.131) ; R35.1@63.311,33.655 v2(64.516,33.655)
  Top Layer w0.25: U7.5@73.095,12.66 73.095,10.41 U7.33@73.345,10.16
  Bottom Layer w0.2: v2(64.516,33.655) 65.405,34.544 72.263,34.544 73.025,35.306 v2(78.105,35.306) ; v2(64.77,32.131) 65.659,31.242 84.582,31.242 88.646,35.306 v2(91.755,35.306)
  other v1: 81.153,32.893 82.423,32.893 83.693,32.893 92.329,33.02 94.742,33.02 96.012,33.02 97.282,33.02 98.552,33.02 78.867,33.147 90.805,33.528 80.518,33.909 81.788,33.909 83.058,33.909 84.328,33.909 77.597,34.036 95.377,34.036 96.647,34.036 97.917,34.036 81.153,34.925 82.423,34.925 83.693,34.925 94.742,35.052 96.012,35.052 97.282,35.052 98.552,35.052 80.518,35.941 81.788,35.941 83.058,35.941 84.328,35.941 95.377,36.068 96.647,36.068 97.917,36.068 77.597,36.703 81.153,36.957 82.423,36.957 83.693,36.957 91.821,36.957 94.742,37.084 96.012,37.084 97.282,37.084 98.552,37.084 78.613,37.592 95.377,38.1 96.647,38.1 97.917,38.1 77.597,38.481 96.012,39.116 97.282,39.116 98.552,39.116 77.851,39.624
  other v2: 69.469,6.096 73.025,9.017 74.549,9.017 89.154,9.779 73.787,10.16 73.025,11.303 74.549,11.303 3.429,11.938 8.89,14.732 11.811,14.732 44.577,18.542 24.003,20.955 28.829,20.955 12.7,21.463 39.878,22.606 14.224,27.051 5.588,28.956 38.1,29.337 51.435,29.845 55.626,30.734 15.113,31.496 27.94,32.639 42.672,35.306 33.655,35.433 15.748,35.687 47.879,36.957 54.356,39.116 56.896,39.116 59.436,39.116 30.226,39.497 18.288,41.275 55.626,41.402 58.166,41.402 6.35,41.91 54.356,43.688 56.896,43.688 59.436,43.688 9.906,44.831 55.626,45.974 58.166,45.974 18.288,46.482 54.356,48.26 56.896,48.26 59.436,48.26 33.147,48.641 34.671,50.038 18.288,51.689 33.147,51.816 11.684,52.07 34.671,54.356 33.401,56.642 17.272,56.769 19.177,56.769 26.035,62.103 31.115,62.103 33.02,73.66 33.02,76.2 35.941,76.2
HALL-A: CN5.3 R14.2 U7.1 | length 37
  Top Layer w0.2: R14.2@72.075,23.622 72.136,23.622 v4(73.33,22.428) 74.168,21.59 74.168,15.621 75.095,14.694 U7.1@75.095,12.66
  Bottom Layer w0.2: v4(73.33,22.428) 73.33,21.539 75.184,19.685 80.899,19.685 85.725,14.859 88.773,14.859 89.789,15.875 89.789,17.526 91.095,18.832 CN5.3@91.836,18.832
HALL-B: CN5.4 R10.2 U7.2 | length 31.5
  Top Layer w0.2: R10.2@72.075,21.717 v4(73.33,20.462) 73.66,20.132 73.66,15.427 74.595,14.492 U7.2@74.595,12.66
  Bottom Layer w0.2: v4(73.33,20.462) 74.615,19.177 80.645,19.177 85.471,14.351 89.027,14.351 90.008,15.332 CN5.4@91.836,15.332
HALL-C: CN5.5 R9.2 U7.3 | length 29.7
  Top Layer w0.2: R9.2@72.075,19.812 72.974,18.913 v4(72.974,18.669) 73.152,18.491 73.152,15.24 74.095,14.297 U7.3@74.095,12.66
  Bottom Layer w0.2: v4(72.974,18.669) 80.391,18.669 85.217,13.843 89.154,13.843 91.165,11.832 CN5.5@91.836,11.832
HMI-RXD: R41.1 U9.52 | length 37.6
  Top Layer w0.2: v2(22.733,46.863) 23.56,47.69 U9.52@23.56,49.196
  Top Layer w0.3: v2(37.846,19.685) 37.846,18.861 R41.1@38.293,18.414
  Bottom Layer w0.2: v2(22.733,46.863) 22.86,46.863 23.495,46.228 23.495,42.799 35.433,30.861 35.433,22.479 37.846,20.066 v2(37.846,19.685)
HMI-TXD: R45.1 U9.51 | length 37.5
  Top Layer w0.2: v2(22.733,45.847) 22.987,45.847 24.06,46.92 U9.51@24.06,49.196
  Top Layer w0.3: R45.1@36.388,18.415 36.83,18.857 v2(36.83,19.685)
  Bottom Layer w0.2: v2(22.733,45.847) 22.733,42.799 34.925,30.607 34.925,22.225 36.83,20.32 v2(36.83,19.685)
IR-UN: C28.1 R35.2 U7.23 | length 43
  Top Layer w0.2: v2(58.547,33.782) C28.1@59.756,33.782 59.883,33.655 R35.2@61.661,33.655 ; U7.23@74.595,7.66 74.595,6.685 74.803,6.477 v4(75.184,6.477)
  Bottom Layer w0.2: v2(58.547,33.782) 59.817,32.512 59.817,30.226 64.389,25.654 69.088,25.654 70.104,24.638 70.104,16.256 71.247,15.113 71.247,8.382 72.263,7.366 73.66,7.366 74.549,6.477 v4(75.184,6.477)
IR-UP: C28.2 R30.2 U7.24 | length 44
  Top Layer w0.2: v2(58.547,35.433) 59.73,35.433 C28.2@59.756,35.407 59.909,35.56 R30.2@61.662,35.56 ; U7.24@75.092,7.493 v4(76.073,7.493)
  Bottom Layer w0.2: v2(58.547,35.433) 60.325,33.655 60.325,30.48 64.643,26.162 69.342,26.162 70.612,24.892 70.612,16.51 71.755,15.367 71.755,8.647 72.528,7.874 75.692,7.874 v4(76.073,7.493)